# Altium PCB Gateway.PcbDoc (continued)
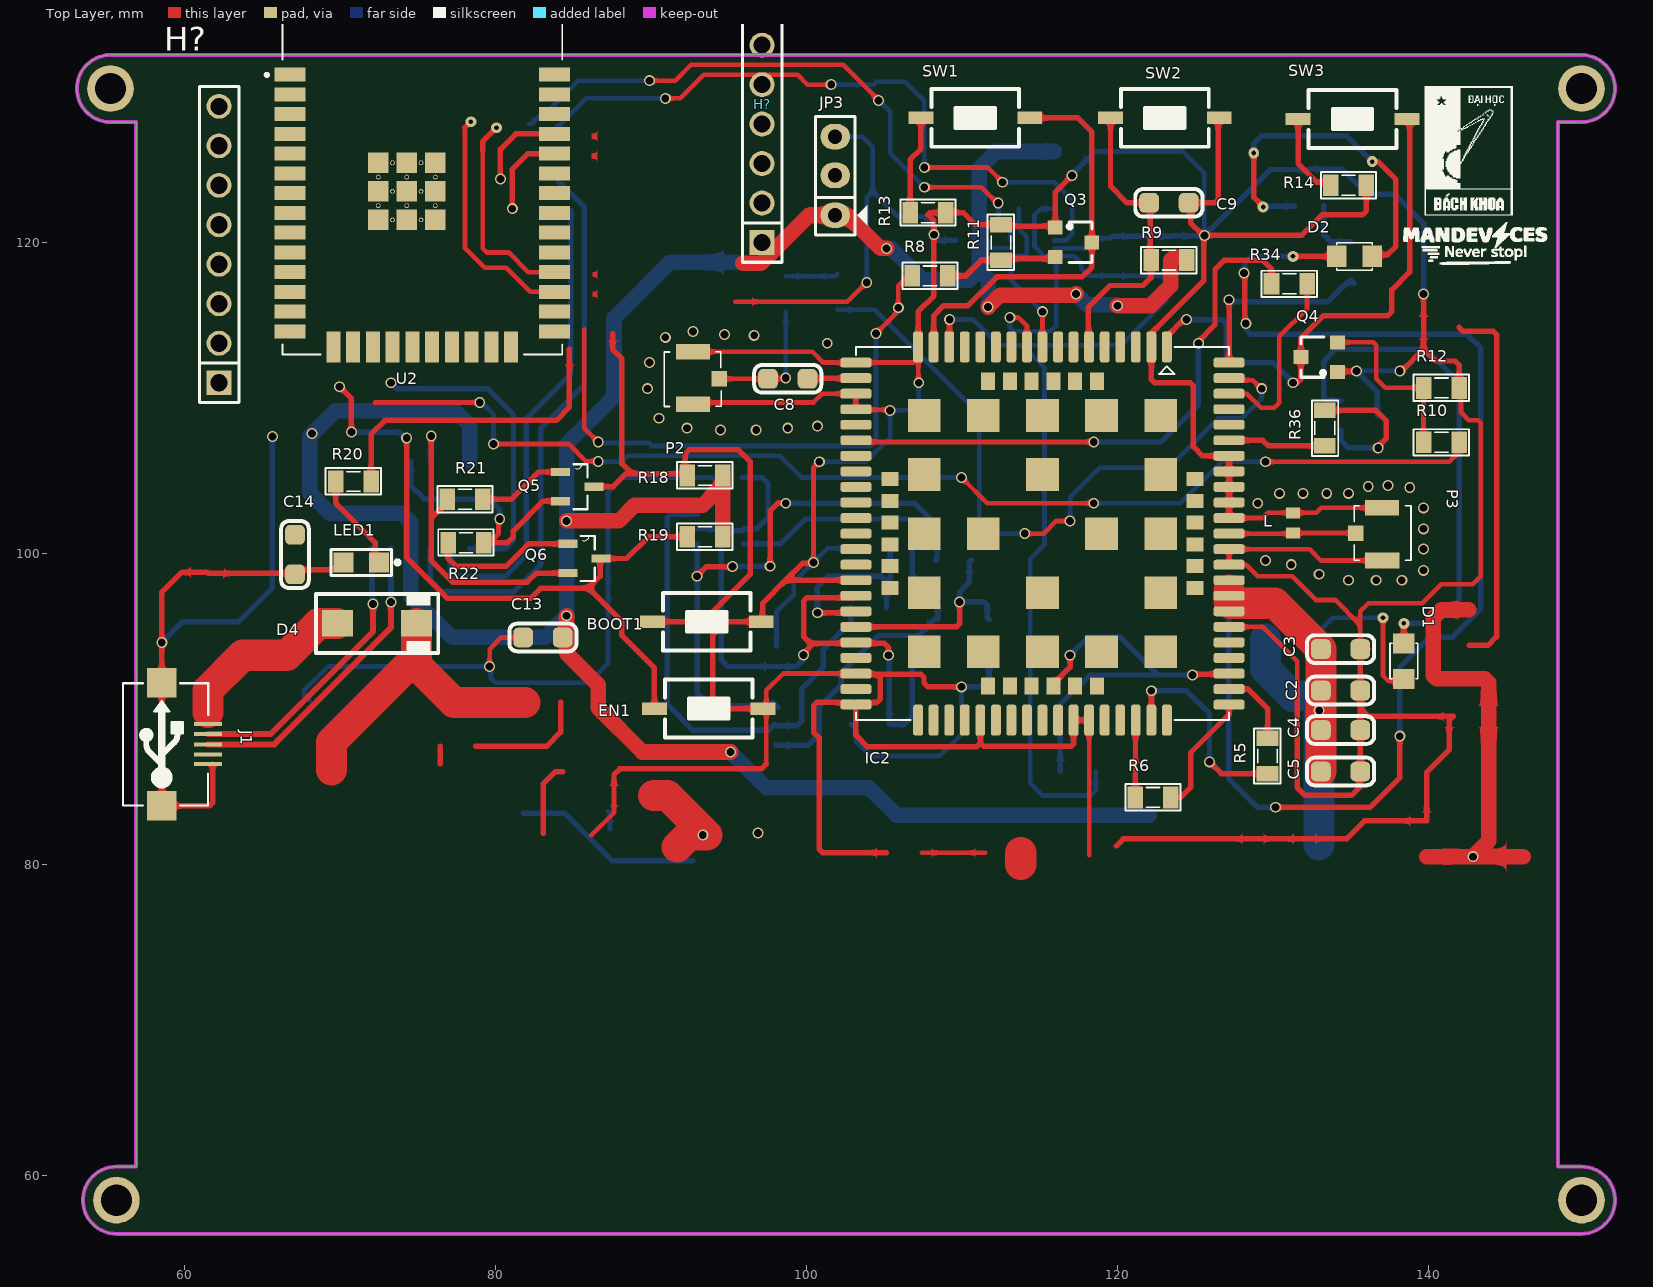
[diagram p0: Top Layer view]
## Part data (continued)
U2: "Bluetooth, WiFi 802.11b/g/n, Bluetooth v4.2 +EDR, Class 1, 2 and 3 Transceiver Module 2.4GHz ~ 2.5GHz Antenna Not Included, U.FL Surface Mount", Package="Module Espressif Systems", Availability="In Stock", Check_prices=https://www.snapeda.com/parts/ESP32-WROOM-32/Espressif+Systems/view-part/?ref=eda, MF="Espressif Systems", MP=ESP32-WROOM-32, Price=None, Purchase-URL=https://pricing.snapeda.com/search/part/ESP32-WROOM-32/?ref=eda, SnapEDA_Link=https://www.snapeda.com/parts/ESP32-WROOM-32/Espressif+Systems/view-part/?ref=snap
U3: "USB to serial chip CH340", Package=Package, Availability=Unavailable, Check_prices=https://www.snapeda.com/parts/CH340C/WCH/view-part/5428851/?ref=eda, MF=WCH, MP=CH340C, Price=None, SnapEDA_Link=https://www.snapeda.com/parts/CH340C/WCH/view-part/5428851/?ref=snap
U4: Name=TPS5430

## Free pads (board coordinates)
  round 3 hole 2: 0(55.245,129.921) 0(55.626,58.42) 0(149.86,58.42) 0(149.86,129.921)

## Via types
v1: diameter 0.7, hole 0.5, Top Layer to Bottom Layer, 114 vias
v2: diameter 0.7, hole 0.3, Top Layer to Bottom Layer, 8 vias
v3: diameter 0.9, hole 0.5, Top Layer to Bottom Layer, 5 vias

## Nets (pads, with @x,y where several pads share a name; then routed paths per layer and width w, separated by ;. In a path a pad name is that pad's centre, name@x,y a point inside that pad or via, vN(x,y) a via of type N, cw(c..) or ccw(c..) an arc to the next point about the centre after c; other vN are vias at no path point)
1V8: C7.2 C31.2 IC1.3 IC2.15 R3.2 R7.1 | length 67.7
  Top Layer w0.35: IC2.15 109.205,113.311 109.205,115.047 v1(109.22,115.062)
  Bottom Layer w0.3: v1(109.22,115.062) 110.744,115.062 112.395,113.411 113.882,113.411 ; IC1.3@115.944,119.13 115.304,119.13 114.681,119.753 114.681,121.793 115.077,122.189 R3.2 ; IC1.3@115.974,119.13 117.236,119.13 117.68,118.686 117.68,118.359 118.168,117.871 C31.2 C7.2 123.153,117.453 123.153,116.295 120.269,113.411 113.882,113.411 ; R7.1 118.618,84.771 118.303,84.455 115.189,84.455 114.395,85.249 114.395,99.663 115.316,100.584 115.316,111.977 113.882,113.411
3V3: AMS1.2 AMS1.4 AMS2.2 AMS2.4 C1.2 C6.2 C13.1 C14.1 C20.1 C22.1 H?.5@97.155,130.175 H?.8@62.23,128.778 IC1.7 JP3.1 R9.2 R18.1 R19.1 R27.1 U2.2 U3.4 U3.16 | length 209.3
  Top Layer w1: C13.1 C13.1@84.463,94.48 ; v1(84.582,96.012) 84.582,93.599 86.614,91.567 86.614,90.092 89.457,87.249 v1(95.123,87.249) ; v1(84.582,102.108) 87.95,102.108 88.966,103.124 93.345,103.124 R18.1@94.615,104.394 ; R19.1@94.615,101.219 R18.1@94.615,104.394 ; R18.1 R18.1@94.615,104.394 ; 95.923,118.686 97.081,118.686 100.166,121.771 JP3.1 102.638,121.771 104.775,119.634 v1(105.156,119.634) ; v1(111.69,115.87) 112.46,116.64 117.275,116.64 v1(117.348,116.713) ; v1(120.015,115.951) 122.141,115.951 123.444,117.254 123.444,118.875 123.649,119.08 124.267,119.08 R9.2 ; 139.902,80.518 v1(142.875,80.518) ; 142.621,96.393 140.843,96.393 140.335,95.885 140.335,92.153 140.54,91.948 143.637,91.948 143.891,91.694 143.891,89.535 143.891,81.534 v1(142.875,80.518) ; 146.102,80.518 v1(142.875,80.518)
  Bottom Layer w0.3: 111.125,120.475 111.955,119.645 IC1.7
  Bottom Layer w1: v1@68.072,107.562 68.072,103.886 69.342,102.616 73.963,102.616 74.549,102.03 U3.4 74.549,97.282 77.216,94.615 83.185,94.615 v1(84.582,96.012) v1(84.582,102.108) 84.582,107.048 87.63,110.096 87.63,115.132 91.243,118.745 95.425,118.745 ; v1@68.225,107.715 69.699,109.189 77.423,109.189 78.359,108.253 U3.16 ; v1(95.123,87.249) 97.409,84.963 104.013,84.963 105.791,83.185 122.047,83.185 ; v1(105.156,119.634) 105.475,119.634 107.492,117.617 C1.2 109.616,117.602 110.49,117.602 111.125,118.237 ; v1(111.69,115.87) 111.69,117.672 111.125,118.237 ; C6.2 112.219,125.872 111.125,124.778 111.125,120.475 111.125,118.237 ; v1(117.348,116.713) 118.046,116.014 119.951,116.014 v1(120.015,115.951)
  other v1: 68.199,107.741
3V8: C2.2 C3.2 C4.2 C5.2 C16.1 IC2.55 IC2.56 IC2.57 L2.2 R1.1 R2.1 R23.1 R24.1 R25.2 | length 31.9
  Top Layer w2: 113.792,80.027 113.792,80.772 ; 127.19,97.663 IC2.56 127.19,96.901 127.278,96.813 130.151,96.813 C3.2 C2.2 ; C5.2 C4.2 C2.2@133.096,90.821
  Bottom Layer w2: R2.1 129.54,92.583 131.302,90.821 132.917,90.943 132.975,90.947 132.984,90.948 R1.1 v1(132.984,89.916) 132.984,81.265
5V: AMS2.3 C23.1 C25.1 C26.1 D4.2 | length 27.2
  Top Layer w2: 69.469,86.106 69.469,87.884 74.934,93.349 ; D4.2 74.934,93.349 ; 81.915,90.438 77.329,90.438 74.934,92.833 74.934,93.349 ; 90.17,84.455 91.073,84.455 v1@93.613,81.915 ; 91.675,81.134 92.456,81.915 v1@93.613,81.915 ; v1(93.345,81.915) v1@93.613,81.915
ADC: JP3.2 U2.9
balanced: J3.2
CH340_RX: U2.35 U3.3 | length 42.4
  Top Layer w0.35: v1(80.328,124.101) 80.328,126.006 81.322,127 U2.35
  Bottom Layer w0.35: U3.3 75.819,98.298 76.566,97.551 81.168,97.551 82.931,99.314 82.931,108.077 85.725,110.871 85.725,122.301 84.074,123.952
CH340_TX: U2.34 U3.2 | length 36.1
  Top Layer w0.35: v1(81.09,122.196) 81.09,124.736 82.084,125.73 U2.34
  Bottom Layer w0.35: U3.2 77.089,98.757 77.294,98.552 80.645,98.552 82,99.907 82,108.686 84.836,111.522 84.836,122.047
CS: U2.29
CS2: H?.4@97.155,127.635 H?.6@62.23,123.698 U2.23 | length 0.2
  Top Layer w0.35: U2.23@79.617,113.43 U2.23
D0_N: J1.2 U3.6 | length 18.7
  Top Layer w0.381: J1.2 65.534,88.394 72.136,94.996 v1(72.136,96.774)
  Bottom Layer w0.381: U3.6 72.075,100.258 72.075,96.835 v1(72.136,96.774)
D0_P: J1.3 U3.5 | length 20
  Top Layer w0.381: J1.3 65.782,87.744 73.279,95.241 v1(73.279,96.901)
  Bottom Layer w0.381: v1(73.279,96.901) U3.5
D_N: IC2.28
D_P: IC2.27
DATA: IC2.5
EN: EN1.1 Q6.3 R19.2 U2.3 | length 45.7
  Top Layer w0.35: v1(69.977,110.744) 70.739,109.982 v1(70.739,107.823) ; v1(74.295,107.442) 74.295,99.765 76.933,97.126 82.267,97.126 82.931,97.79 85.979,97.79 ; EN1.1 90.226,92.654 88.138,94.742 88.138,95.631 85.979,97.79 ; R19.2@92.456,101.092 R19.2 89.838,101.092 88.441,99.695 Q6.3 86.741,99.644 86.741,98.552 85.979,97.79
  Bottom Layer w0.35: v1(70.739,107.823) 73.819,107.823 74.2,107.442 v1(74.295,107.442)
GND: AMS1.1 BOOT1.2 C1.1 C2.1 C3.1 C4.1 C5.1 C6.1 C7.1 C9.1 C10.2 C11.2 C12.2 C13.2 C14.2 C16.2 C17.2 C18.1 C19.1 C20.2 C21.1 C24.1 C30.2 C31.1 D5.1 EN1.2 H?.6@97.155,132.715 H?.7@62.23,126.238 IC1.2 IC2.2 IC2.17 IC2.18 IC2.29 IC2.39 IC2.45 IC2.46 IC2.54 IC2.58 IC2.59 IC2.61 IC2.62 IC2.63 IC2.64 IC2.65 IC2.89 IC2.91 IC2.92 IC2.94 IC7.2 J1.5 J3.1 J4.1 J5.2 JP3.3 L.2 LED1.2 P2.2 P2.3 P3.2 P3.3 PW1.2 PW2.2 Q1.2 Q2.2 Q3.1 Q4.1 R11.1 R12.1 R13.1 R14.1 R26.1 R29.1 SW2.2 U1.5 U1.8 U2.1 U2.15 U2.38 U2.39_1 U2.39_2 U2.39_3 U2.39_4 U2.39_5 U2.39_6 U2.39_7 U2.39_8 U2.39_9 U2.39_10 U2.39_11 U2.39_12 U2.39_13 U2.39_14 U2.39_15 U2.39_16 U2.39_17 U2.39_18 U2.39_19 U2.39_20 U2.39_21 U3.1 U4.6 U4.9 | length 574.1
  Top Layer w0.3: 49.223,72.517 50.038,72.517 ; v1(79.629,92.749) 79.629,93.853 80.391,94.615 C13.2 ; 86.175,81.889 87.63,83.344 87.63,84.455 ; P2.3 100.399,112.989 101.092,112.296 IC2.89 ; P2.2 92.837,109.728 100.457,109.728 101.025,110.296 IC2.91 IC2.18 103.228,109.258 105.352,109.258 v1(105.39,109.22) ; 95.425,116.205 102.638,116.205 v1(103.886,117.453) ; 97.412,86.474 97.431,86.474 97.431,89.838 EN1.2 97.431,90.248 97.431,91.208 98.519,92.296 IC2.92 ; v1@100.39,99.374 v1(100.457,99.441) 100.457,105.537 v1(100.838,105.918) ; IC2.89@103.056,112.43 IC2.89 ; v1(107.229,110.998) 107.209,111.017 107.209,113.253 107.178,113.284 107.178,112.606 106.868,112.296 IC2.89 ; 118.19,80.616 IC2.46 ; IC2.54 129.367,95.296 131.572,93.091 131.572,91.408 ; IC2.61 129.347,102.296 129.682,102.631 L.2 132.786,102.631 133.109,102.954 P3.2 ; IC2.63 IC2.63@127.269,104.217 ; C3.1@136.159,93.868 C3.1 135.636,95.407 ; P3.3 133.096,99.566 132.366,100.296 IC2.59 IC2.58 128.288,99.296 129.032,98.552 131.246,98.552 132.77,97.028 134.015,97.028 135.636,95.407 ; R12.1 142.113,110.539 142.113,109.093 142.621,108.585 143.207,108.585 143.383,108.409 143.383,98.552 142.875,98.044 140.843,98.044 139.612,96.813 136.159,96.813 135.636,96.29 135.636,95.407
  Top Layer w0.35: J1.5@58.42,83.667 58.547,83.794 58.547,91.694 v1(58.547,94.296) 58.547,97.536 59.817,98.806 61.468,98.806 61.539,98.735 67.112,98.735 67.183,98.664 67.487,98.968 69.517,98.968 LED1.2@69.977,99.428 ; J1.5@58.848,83.781 61.611,83.781 61.816,83.986 J1.5@61.816,86.461 ; 87.63,84.455 87.63,85.786 88.011,86.167 97.106,86.167 97.412,86.474 ; P2.2@92.705,109.606 P2.2 ; EN1.2 94.488,90.043 93.98,90.551 93.98,94.742 94.869,95.631 BOOT1.2 97.184,95.631 97.184,96.803 98.677,98.296 ; v1@100.39,99.374 99.755,99.374 98.677,98.296 ; IC2.92 103.237,92.249 104.521,92.249 ; IC2.29 98.677,98.296 ; 105.156,80.772 101.046,80.772 100.818,80.999 100.818,88.167 100.472,88.513 100.472,90.233 100.677,90.438 102.78,90.438 103.056,90.162 IC2.94 ; IC2.17@107.178,113.284 IC2.17 107.19,115.572 108.204,116.586 v1(108.204,120.523) 108.204,121.436 107.823,121.817 107.941,121.935 R13.1 110.094,121.935 110.856,121.173 R11.1 112.619,121.077 115.918,121.077 Q3.1 116.015,123.254 v1(117.094,124.333) ; v1(109.982,91.44) 107.827,91.44 107.569,91.698 107.569,92.044 107.364,92.249 104.521,92.249 ; IC2.39 111.19,87.835 ; IC2.46 IC2.45 117.19,87.771 117.049,87.63 111.395,87.63 111.19,87.835 ; 119.939,81.204 120.396,81.661 128.736,81.661 132.038,81.661 134.747,81.661 135.904,82.818 139.902,82.818 139.902,85.927 141.351,87.376 141.351,89.281 141.605,89.535 136.144,89.535 135.636,90.043 ; v1@125.563,120.475 v1@125.563,120.436 ; SW2.2 126.492,127.96 126.492,122.775 126.287,122.57 C9.1 124.714,122.443 124.714,121.285 v1@125.563,120.436 ; IC2.61 IC2.62 IC2.63 IC2.64 IC2.65 125.479,106.296 124.888,106.887 124.888,110.793 124.683,110.998 122.395,110.998 122.19,111.203 IC2.2 122.19,114.189 125.563,117.562 v1@125.563,120.436 ; 131.572,91.408 131.572,84.963 132.08,84.455 135.076,84.455 135.584,84.963 135.584,85.942 C5.1 C4.1 135.636,90.043 ; Q4.1 134.19,111.729 135.351,111.729 v1(135.382,111.76) ; C3.1 C2.1 135.636,90.043 ; R14.1 136.017,122.047 135.763,121.793 133.182,121.793 131.864,120.475 v1(125.603,120.475) v1@125.563,120.436 ; P3.3@136.771,99.836 P3.3 ; P3.2 P3.2@137.091,102.899 ; v1(138.176,111.76) 138.303,111.76 139.7,113.157 ; v1(139.7,116.713) 139.7,114.554 139.7,113.157 ; R12.1 141.986,112.141 141.732,112.395 140.462,112.395 139.7,113.157 ; IC2.94 103.19,90.162 103.19,88.326 103.935,87.581 110.936,87.581 111.19,87.835 ; IC2.94 103.333,90.438 104.535,90.438 104.757,90.66 104.757,92.013 104.521,92.249
  Bottom Layer w0.3: 68.072,90.551 67.688,90.935 67.688,91.183 69.254,92.749 v1(79.629,92.749) 79.706,92.672 79.706,91.998 80.01,91.694 85.979,91.694 87.249,92.964 87.249,97.739 87.249,103.963 88.188,104.902 C30.2 ; U1.8@87.249,83.439 87.376,83.312 87.376,82.296 ; U1.5 98.079,96.266 99.187,97.374 99.187,98.171 v1(100.457,99.441) 101.361,100.345 C12.2 ; v1(100.838,105.918) 103.831,105.918 105.39,107.477 v1(105.39,109.22) 107.053,109.22 107.229,109.396 v1(107.229,110.998) ; JP3.3 103.585,126.826 104.267,126.144 104.267,123.317 ; C11.2 103.193,88.704 103.193,87.942 104.14,86.995 108.585,86.995 109.982,88.392 v1(109.982,91.44) ; v1(103.886,117.453) 103.886,122.936 104.267,123.317 ; v1(108.204,120.523) 108.204,121.031 107.569,121.666 105.918,121.666 104.267,123.317 ; IC1.2 117.972,119.645 118.612,120.285 119.571,120.285 C31.1 ; C6.1 124.221,125.872 125.603,124.49 v1(125.603,120.475) ; v1(135.382,111.76) v1(138.176,111.76)
  Bottom Layer w0.35: v1(58.547,94.296) 59.882,95.631 63.5,95.631 65.659,97.79 v1(65.659,107.542) ; v1(73.279,110.998) 73.66,110.617 79.496,110.617 81.168,108.945 81.168,100.853 80.639,100.324 U3.1 ; IC7.2 94.156,101.6 94.361,101.805 94.361,104.521 93.98,104.902 C30.2 ; v1(108.204,120.523) 108.222,120.523 108.594,120.151 109.595,120.151 C1.1 ; v1(109.982,91.44) 111.125,91.44 111.758,92.073 111.758,93.231 C10.2 ; v1(117.094,124.333) 117.094,124.404 118.491,125.801 C6.1 ; C31.1 C7.1 123.603,120.443 125.571,120.443 v1(125.603,120.475) 129.842,124.714 Q2.2@132.302,124.714 ; Q2.2 134.461,124.746 136.073,123.134 137.819,123.134 139.7,121.253 v1(139.7,116.713) ; v1(135.382,111.76) 136.716,110.426 Q1.2
  other v1: 134.874,98.298 136.652,98.296 138.303,98.298 132.984,98.679 139.7,98.933 131.191,99.296 129.54,99.566 139.7,100.296 139.7,101.6 139.7,102.954 129.032,103.251 130.429,103.886 131.953,103.886 133.477,103.886 134.874,103.886 138.811,104.267 136.144,104.318 137.414,104.394 94.488,107.95 96.774,107.95 92.329,108.077 98.806,108.077 100.723,108.204 90.522,108.712 89.789,110.617 89.916,112.296 101.346,113.538 90.932,113.919 96.647,114.046 94.742,114.108 92.71,114.3
  other v3: 237.49,23.012 239.522,23.012 238.506,23.647 237.49,24.282 239.522,24.282
IO2: R20.1 U2.24 | length 20.2
  Top Layer w0.35: R20.1 72.009,107.696 72.898,108.585 83.92,108.585 84.763,109.428 84.763,113.151
IO_0: BOOT1.1 Q5.3 R18.2 U2.25 | length 36.6
  Top Layer w0.35: Q5.3 87.577,104.318 88.416,105.156 88.773,105.156 ; 87.548,114.151 87.548,113.139 88.138,112.549 88.138,105.791 88.773,105.156 ; BOOT1.1 93.345,95.631 96.393,98.679 96.393,105.918 95.631,106.68 92.456,106.68 92.202,106.426 R18.2@92.202,105.156 ; R18.2 R18.2@92.202,105.156 ; 88.773,105.156 R18.2@92.202,105.156
IRQ: H?.7@97.155,135.255 U2.11
LED_DSP: H?.1@62.23,110.998 U2.33
LOG_RX: IC2.22
LOG_TX: IC2.23
MISO: H?.4@62.23,118.618 U2.31
MISO2: H?.2@97.155,122.555 U2.14
MOSI: H?.3@62.23,116.078 U2.37
MOSI2: H?.3@97.155,125.095 U2.16 | length 0.1
  Top Layer w0.35: U2.16 U2.16@70.894,113.336
NET: IC2.52
NetAMS2_1: AMS2.1 C22.2 C23.2 C25.2 C26.2
  other v1: 96.901,82.042
NetC8_1: C8.1 IC2.90 | length 3.1
  Top Layer w0.35: C8.1 100.098,111.274 103.168,111.274 IC2.90
NetC8_2: C8.2 L1.1 P2.1 | length 8.6
  Top Layer w0.3: P2.1 94.401,111.252 C8.2 97.558,111.274 98.657,111.274 v1(98.679,111.296)
  Bottom Layer w0.3: v1(98.679,111.296) L1.1
NetC9_2: C9.2 IC2.6 R9.1 SW2.1 | length 19.6
  Top Layer w0.35: IC2.6 118.147,113.339 118.147,115.87 119.531,117.254 121.666,117.254 122.174,117.762 R9.1 122.111,118.951 122.111,122.507 C9.2 120.635,122.57 119.563,123.642 SW2.1
NetC15_1: C15.1 D5.2 L2.1 U4.8
NetC15_2: C15.2 U4.1
NetC24_2: C24.2 R28.1 R29.2 U2.10
NetD1_1: D1.1 R1.2 | length 11.6
  Top Layer w0.3: v2(137.091,95.885) 137.091,92.144 137.414,91.821 138.303,91.821 D1.1
  Bottom Layer w0.3: R1.2 132.984,95.011 133.858,95.885 v2(137.091,95.885)
NetD1_2: D1.2 Q1.3 | length 32.9
  Top Layer w0.35: D1.2 v2(138.43,95.52)
  Bottom Layer w0.35: Q1.3 134.361,109.855 133.489,109.855 133.284,110.06 133.284,112.391 134.05,113.157 139.827,113.157 141.986,110.998 141.986,97.028 140.478,95.52 v2(138.43,95.52)
NetD2_1: D2.1 R2.2 | length 82.3
  Top Layer w0.35: v1(128.143,118.056) 128.207,117.992 128.207,114.871 v1(128.27,114.808) ; v1(130.175,83.693) 136.271,83.693 138.176,85.598 v1(138.176,88.265) ; v2(131.302,119.126) D2.1
  Bottom Layer w0.35: v1(128.143,118.056) 128.21,118.123 128.21,118.685 128.651,119.126 v2(131.302,119.126) ; v1(128.27,114.808) 128.27,114.427 128.589,114.108 142.494,114.108 143.383,113.219 143.383,96.471 141.527,94.615 140.081,94.615 138.176,92.71 v1(138.176,88.265) ; R2.2 128.094,96.79 127.169,95.865 127.169,85.556 129.032,83.693 v1(130.175,83.693)
NetD2_2: D2.2 Q2.3 | length 23
  Top Layer w0.35: v2(128.778,125.771) 128.778,122.934 129.383,122.329 v2(129.383,122.301) ; D2.2 136.503,119.231 137.392,119.231 137.922,119.761 137.922,124.079 136.779,125.222 v2(136.398,125.222)
  Bottom Layer w0.35: v2(128.778,125.771) 128.778,126.365 129.286,126.873 134.747,126.873 v2(136.398,125.222) ; v2(129.383,122.301) 129.43,122.348 131.336,122.348 Q2.3
NetD3_1: D3.1 J3.3 J4.2
NetD3_2: D3.2 J2.1
NetD4_1: D4.1 J1.1 | length 11.9
  Top Layer w1: D4.1@69.592,95.774 D4.1
  Top Layer w2: 61.515,89.789 61.515,91.233 63.754,93.472 66.588,93.472 68.636,95.52 D4.1
NetIC1_1: IC1.1 U2.28 | length 57.5
  Top Layer w0.3: 79.185,125.879 79.185,119.634 79.439,119.38 80.858,119.38 82.128,118.11 U2.28 ; v1(90.932,129.286) 91.893,129.286 93.417,130.81 99.441,130.81 100.076,130.175 v1(101.6,130.175) ; v1@107.696,124.841 111.674,124.841 v1(112.618,123.896)
  Top Layer w0.35: 79.185,125.879 79.185,126.514 v2(80.074,127.403)
  Bottom Layer w0.3: 83.82,127.254 85.852,129.286 v1(90.932,129.286) ; v1(101.6,130.175) 104.293,130.175 104.485,130.367 106.361,130.367 107.59,129.138 v1(107.59,124.841) ; v1(112.618,123.896) 115.937,123.896 117.094,122.739 117.094,120.565 116.675,120.145 IC1.1
NetIC1_6: IC1.6 R3.1 | length 4.2
  Bottom Layer w0.3: IC1.6 114.009,119.145 114.173,119.309 114.173,120.396 113.665,120.904 R3.1
NetIC1_8: IC1.8 U2.27 | length 54.9
  Top Layer w0.3: 78.042,127.403 78.042,119.669 79.325,118.386 80.709,118.386 82.255,116.84 U2.27 ; v1(89.916,130.429) 91.567,130.429 92.583,131.445 102.362,131.445 v1(104.648,129.159) ; v1(107.59,123.571) 111.252,123.571 112.268,122.555 v1(112.343,122.555)
  Top Layer w0.35: 78.042,127.403 v2(78.423,127.784)
  Bottom Layer w0.3: 82.169,127.635 82.309,127.635 83.136,128.462 83.377,128.462 85.344,130.429 v1(89.916,130.429) ; v1(104.648,129.159) 105.39,128.417 105.39,125.771 v1(107.59,123.571) ; v1(112.343,122.555) 112.343,121.464 113.149,120.658 IC1.8
NetIC2_20: IC2.20 R34.1 | length 37.3
  Top Layer w0.35: IC2.20 103.298,107.188 v1(118.491,107.188) ; v1(125.222,113.538) 125.222,113.665 126.287,114.73 126.287,118.286 126.865,118.864 129.383,118.864 129.921,118.326 R34.1
  Bottom Layer w0.35: v1(118.491,107.188) 122.809,107.188 125.222,109.601 v1(125.222,113.538)
NetIC2_49: IC2.49 R6.2 | length 5
  Top Layer w0.35: R6.2 121.158,85.833 121.174,85.849 121.174,89.28 IC2.49
NetIC2_50: IC2.50 R5.2 | length 13.4
  Top Layer w0.35: IC2.50 v1(122.19,91.186) ; v1(125.932,86.614) 126.694,85.852 R5.2
  Bottom Layer w0.35: v1(122.19,91.186) 124.46,91.186 125.932,89.714 v1(125.932,86.614)
NetIC2_60: IC2.60 L.1 P3.1 | length 8.2
  Top Layer w0.3: IC2.60@127.221,101.265 127.252,101.296 131.253,101.296 L.1@131.315,101.358 ; L.1 135.268,101.331 P3.1@135.296,101.358
  Top Layer w0.35: P3.1@135.296,101.358 P3.1
NetIC2_95: IC2.95 R6.1 | length 7.9
  Top Layer w0.35: R6.1 124.079,84.328 124.714,84.963 124.714,87.2 127.19,89.676 IC2.95
NetIC2_96: IC2.96 R5.1 | length 4.9
  Top Layer w0.35: IC2.96 128.414,91.296 129.667,90.043 R5.1
NetIC2_97: IC2.97 IC2.116 R7.2 | length 25.5
  Top Layer w0.35: IC2.116 115.89,91.626 116.967,92.703 v1(116.967,93.472) ; v1(124.841,92.202) 124.888,92.249 127.143,92.249 IC2.97
  Bottom Layer w0.35: R7.2 116.332,90.297 118.237,92.202 122.555,92.202 ; v1(116.967,93.472) 118.11,94.615 120.204,94.615 122.555,92.264 122.555,92.202 ; v1(124.841,92.202) 122.555,92.202
NetIC2_98: IC2.98 R34.2 | length 12.1
  Top Layer w0.3: IC2.98 128.337,110.296 129.245,109.388 130.104,109.388 130.429,109.713 130.429,113.984 132.207,115.762 R34.2
NetIC2_99: IC2.99 R4.2 | length 44.9
  Top Layer w0.3: v1(114.046,101.296) 115.266,101.296 116.078,102.108 v1(116.967,102.108) ; IC2.99 127.326,111.16 128.702,111.16 129.245,110.617 v1(129.291,110.617)
  Bottom Layer w0.3: R4.2 104.394,115.697 111.125,108.966 111.125,101.955 111.784,101.296 v1(114.046,101.296) ; v1(116.967,102.108) 116.967,103.632 118.872,105.537 123.317,105.537 126.492,108.712 128.016,108.712 129.286,109.982 129.286,110.612 v1(129.291,110.617)
NetIC7_1: IC7.1 R16.2 U1.2 | length 37.7
  Top Layer w0.35: v1(92.964,98.552) 93.561,99.149 95.212,99.149 v1(95.25,99.187) ; v1(97.674,99.196) 97.674,102.754 98.171,103.251 v1(98.679,103.251)
  Bottom Layer w0.35: IC7.1 92.988,91.035 93.814,90.209 97.603,90.209 97.841,90.447 U1.2 U1.2@98.155,90.133 ; v1(95.25,99.187) 95.254,99.191 97.669,99.191 v1(97.674,99.196) ; v1(98.679,103.251) 106.961,103.251 108.406,101.805 108.406,99.658 R16.2
NetIC7_3: IC7.3 R17.2 U1.7 | length 32.3
  Bottom Layer w0.35: IC7.3 91.264,102.55 91.059,102.345 91.059,90.312 92.725,88.646 97.564,88.646 97.968,89.05 U1.7 99.402,88.939 99.695,89.232 99.695,91.313 101.092,92.71 101.092,93.853 102.87,95.631 R17.2
NetIC7_6: IC7.6 R15.1 U1.3 | length 33.8
  Bottom Layer w0.35: IC7.6 98.364,100.65 99.949,102.235 106.602,102.235 106.807,102.03 106.807,98.679 108.077,97.409 108.111,97.409 108.458,97.062 R15.1 108.26,95.773 107.229,94.742 104.648,94.742 102.235,92.329 102.235,91.567 100.838,90.17 100.838,88.392 100.115,87.669 U1.3 U1.3@98.023,87.725
NetJ5_1: J5.1 R24.2
NetL1_2: L1.2 R4.1 | length 3.4
  Bottom Layer w0.3: L1.2 101.854,117.856 R4.1
NetLED1_1: LED1.1 R20.2 | length 6.3
  Top Layer w0.35: R20.2 69.723,103.251 72.263,100.711 LED1.1@72.263,99.428
NetPW1_1: PW1.1 R23.2 | length 4.1
  Top Layer w0.3: 107.442,80.772 111.506,80.772
NetPW2_1: PW2.1 R27.2
NetQ1_1: Q1.1 R36.2 | length 9.5
  Top Layer w0.35: R36.2 136.296,109.22 136.319,109.243 136.609,109.243 137.287,108.565 137.287,107.41 136.779,106.902 v1(136.779,106.807)
  Bottom Layer w0.35: Q1.1 134.366,107.315 134.874,106.807 v1(136.779,106.807)
NetQ2_1: Q2.1 R35.2 | length 3.8
  Bottom Layer w0.35: Q2.1 133.284,120.512 133.743,120.053 R35.2
NetQ3_3: Q3.3 R8.1 R11.2 | length 7.4
  Top Layer w0.381: R8.1 110.251,117.871 111.267,118.887 R11.2 112.618,118.984 115.919,118.984 Q3.3
NetQ4_3: Q4.3 R10.1 R12.2 | length 11.5
  Top Layer w0.3: Q4.3 136.464,113.599 136.652,113.411 136.652,111.252 137.238,110.666 R12.2 R10.1
NetQ5_1: Q5.1 R21.2 | length 5.7
  Top Layer w0.35: R21.2 81.026,103.505 82.779,105.258 Q5.1
NetQ5_2: Q5.2 R22.1 U3.13 | length 16.6
  Top Layer w0.3: R22.1 79.641,100.711 80.205,101.275 80.205,102.158 v1(80.281,102.235)
  Top Layer w0.35: R22.1@79.641,100.711 80.772,100.711 81.153,101.092 81.153,101.473 83.058,103.378 Q5.2
  Bottom Layer w0.35: U3.13 74.549,104.394 75.438,103.505 79.629,103.505 80.281,102.853 v1(80.281,102.235)
NetQ6_1: Q6.1 R22.2 | length 9.5
  Top Layer w0.35: R22.2 76.962,99.695 77.461,99.196 80.708,99.196 82.147,100.635 Q6.1
NetQ6_2: Q6.2 R21.1 U3.14 | length 21
  Top Layer w0.35: v1(75.873,107.569) 75.873,102.317 75.894,102.296 ; R21.1@76.913,103.505 76.913,103.315 75.894,102.296 ; Q6.2 82.633,98.755 82.049,98.171 77.256,98.171 75.873,99.554 75.873,102.296 75.894,102.296
  Bottom Layer w0.35: v1(75.873,107.569) 75.846,107.542 75.846,105.951 U3.14 U3.14@75.882,105.86
NetR8_2: R8.2 U2.8 | length 38.2
  Top Layer w0.3: U2.8 67.034,121.688 U2.8@67.267,121.92 ; 85.725,114.426 85.725,108.077 v1(86.614,107.188) ; v1(104.485,114.173) 105.841,115.529 105.841,115.747 v1(105.918,115.824) 105.918,117.236 106.68,117.998 R8.2
  Bottom Layer w0.3: v1(86.614,107.188) 86.677,107.124 89.852,107.124 90.043,106.934 104.14,106.934 104.485,107.279 v1(104.485,114.173)
NetR10_2: R10.2 U2.12 | length 75.8
  Top Layer w0.3: 72.263,109.728 v1(78.994,109.728) ; v1(79.883,107.061) 84.709,107.061 85.814,105.956 86.582,105.956 v1(86.614,105.924) ; v1(109.982,104.902) 111.633,103.251 v1(118.491,103.251) ; v1(129.54,105.918) 141.345,105.918 141.986,106.559 R10.2
  Bottom Layer w0.3: v1(78.994,109.728) 79.102,109.728 79.483,109.347 79.496,109.347 79.883,108.96 v1(79.883,107.061) ; v1(86.614,105.924) 88.132,105.924 88.507,106.299 98.298,106.299 99.695,104.902 v1(109.982,104.902) ; v1(118.491,103.251) 124.054,103.251 126.72,105.918 v1(129.54,105.918)
NetR13_2: R13.2 SW1.2 | length 6.4
  Top Layer w0.35: R13.2 106.68,125.349 107.371,126.04 SW1.2
NetR14_2: R14.2 SW3.2 | length 5.7
  Top Layer w0.35: SW3.2 131.628,125.095 132.827,123.896 133.731,123.896 R14.2
NetR25_1: R25.1 R26.2 U4.4
POWER_ON: IC2.1 Q4.2 SW3.1 | length 34.7
  Top Layer w0.35: IC2.1 123.19,113.978 124.274,115.062 v1(124.46,115.062) ; v1(131.302,110.998) 131.572,110.998 131.809,111.235 Q4.2 131.809,113.87 133.255,115.316 137.414,115.316 137.668,115.57 137.668,116.967 138.811,118.11 138.811,127.735 SW3.1@138.713,127.833
  Bottom Layer w0.35: v1(124.46,115.062) 126.746,115.062 127,114.808 127,112.755 127.459,112.296 130.004,112.296 v1(131.302,110.998)
RESET: IC2.16 Q3.2 SW1.1 | length 26.6
  Top Layer w0.35: IC2.16 108.19,115.302 108.839,115.951 110.396,115.951 112.25,117.805 117.748,117.805 118.365,118.423 118.365,120.005 118.34,120.03 Q3.2 118.365,127.126 117.46,128.031 SW1.1
RST: H?.5@62.23,121.158 U2.26
RST_RFID: H?.8@97.155,137.795 U2.36
SCK: H?.2@62.23,113.538 U2.30
SCK2: H?.1@97.155,120.015 U2.13
SIM_PPS: IC2.100 R35.1 | length 12.7
  Top Layer w0.35: IC2.100 v1(127.19,116.334)
  Bottom Layer w0.35: v1(127.19,116.334) 127.285,116.334 127.408,116.211 133.539,116.211 134.803,117.475 R35.1@135.001,117.475 ; R35.1@135.001,117.602 R35.1@135.206,117.397
SIM_RX: IC1.4 IC2.10 | length 10.5
  Top Layer w0.3: v1(113.09,115.189) 113.665,115.189 114.19,114.664 IC2.10
  Bottom Layer w0.3: v1(113.09,115.189) 113.09,114.554 113.344,114.3 115.697,114.3 116.078,114.681 IC1.4@116.078,118.618
SIM_TX: IC1.5 IC2.9 | length 6.2
  Top Layer w0.3: IC2.9 v1(115.19,115.57)
  Bottom Layer w0.3: IC1.5 113.149,117.611 v1(115.19,115.57)
STATUS: IC2.66 R36.1 | length 6.3
  Top Layer w0.35: IC2.66 129.356,107.296 129.718,106.934 R36.1
U_SIM: C11.1 C30.1 IC2.30 IC2.33 IC7.5 R15.2 U1.1 | length 45.9
  Top Layer w0.35: v1(99.823,93.487) 99.823,93.582 100.26,94.019 100.26,94.234 ; IC2.30 103.049,97.155 100.027,97.155 99.822,96.95 99.822,94.672 100.26,94.234 ; v1(105.283,93.472) 105.283,93.98 105.029,94.234 103.252,94.234 IC2.33 103.128,94.234 100.26,94.234
  Bottom Layer w0.35: C30.1 97.155,104.902 97.536,104.521 97.536,102.34 96.796,101.6 IC7.5 95.863,101.475 94.871,101.475 94.525,101.129 94.525,93.197 94.973,92.749 U1.1 ; U1.1@98.157,92.749 99.353,92.749 99.823,93.219 v1(99.823,93.487) ; v1(105.283,93.472) 105.346,93.408 105.346,89.09 C11.1 106.299,89.027 106.807,89.535 106.807,93.267 107.012,93.472 108.443,93.472 R15.2
USIM_CLK: C10.1 IC2.32 R16.1 | length 14
  Top Layer w0.35: IC2.32 109.65,95.296 109.855,95.501 v1(109.855,96.901)
  Bottom Layer w0.35: R16.1 110.49,99.456 110.49,98.171 109.855,97.536 v1(109.855,96.901) 111.428,96.901 111.633,96.696 111.633,95.9 C10.1
USIM_DATA: C12.1 IC2.31 R17.1 | length 13
  Top Layer w0.35: v1(100.711,96.205) 100.723,96.193 103.087,96.193 IC2.31
  Bottom Layer w0.35: v1(100.711,96.205) 100.711,97.857 101.406,98.552 104.824,98.552 105.029,98.347 105.029,98.298 105.156,98.171 ; R17.1 105.156,98.171 ; C12.1 105.41,98.425 105.156,98.171
VBAT: AMS1.3 C17.1 C18.2 C19.2 C21.2 J2.2 R28.2 U4.7
VBUS: IC2.24
pads on no net: IC2.3 IC2.4 IC2.7 IC2.8 IC2.11 IC2.12 IC2.13 IC2.14 IC2.19 IC2.21 IC2.25 IC2.26 IC2.34 IC2.35 IC2.36 IC2.37 IC2.38 IC2.40 IC2.41 IC2.42 IC2.43 IC2.44 IC2.47 IC2.48 IC2.51 IC2.53 IC2.67 IC2.68 IC2.69 IC2.70 IC2.71 IC2.72 IC2.73 IC2.74 IC2.75 IC2.76 IC2.77 IC2.78 IC2.79 IC2.80 IC2.81 IC2.82 IC2.83 IC2.84 IC2.85 IC2.86 IC2.87 IC2.88 IC2.93 IC2.101 IC2.102 IC2.103 IC2.104 IC2.105 IC2.106 IC2.107 IC2.108 IC2.109 IC2.110 IC2.111 IC2.112 IC2.113 IC2.114 IC2.115 IC2.117 IC2.118 IC2.119 IC2.120 IC2.121 IC2.122 IC2.123 IC2.124 IC7.4 J1.4 U1.6 U2.4 U2.5 U2.6 U2.7 U2.17 U2.18 U2.19 U2.20 U2.21 U2.22 U2.32 U3.7 U3.8 U3.9 U3.10 U3.11 U3.12 U3.15 U4.2 U4.3 U4.5
copper on no net: | length 49.9
  Top Layer w0.35: 76.454,86.487 76.454,87.63 ; 78.74,87.63 83.312,87.63 84.201,88.519 84.201,90.438 ; 83.071,82.029 83.071,85.192 83.858,85.979 84.328,85.979 ; 141.986,114.554 142.24,114.3 144.194,114.3 144.399,114.095 144.399,94.662 143.844,94.107 142.621,94.107
  Bottom Layer w0.35: 81.788,83.312 84.455,83.312 87.503,80.264 92.71,80.264

## Polygon pours and split planes (outlines as drawn)
no net on Top Layer "NONET_L01_P060" (solid, pour order 60): 148.336,132.08
no net on Top Layer "NONET_L01_P048" (solid, pour order 48): 148.209,132.08
no net on Top Layer "NONET_L01_P046" (solid, pour order 46): 148.209,131.953
no net on Top Layer "NONET_L01_P040" (solid, pour order 40): 148.336,132.08
no net on Top Layer "NONET_L01_P016" (solid, pour order 16): 150.876,127.762
no net on Top Layer "NONET_L01_P014" (solid, pour order 14): 56.896,60.579
no net on Top Layer "NONET_L01_P012" (solid, pour order 12): 150.876,60.452
no net on Top Layer "NONET_L01_P010" (solid, pour order 10): 150.876,60.579
no net on Top Layer "NONET_L01_P008" (solid, pour order 8): 56.896,56.261
no net on Bottom Layer "NONET_L02_P026" (solid, pour order 26): 56.896,60.579
no net on Bottom Layer "NONET_L02_P024" (solid, pour order 24): 56.896,132.08 56.896,56.261
no net on Bottom Layer "NONET_L02_P022" (solid, pour order 22): 57.023,132.08

## Keep-outs
Keep-Out Layer:
  lines w0.254: 55.245,127.762 cw(c55.245,129.921) 55.245,132.08 149.86,132.08 cw(c149.86,129.921) 149.86,127.762 148.336,127.762 148.336,60.579 149.86,60.579 cw(c149.86,58.42) 149.86,56.261 55.626,56.261 cw(c55.626,58.42) 55.626,60.579 56.896,60.579 56.896,60.706 56.896,127.762 55.245,127.762

## Silkscreen, mask and mechanical layers (free items; w line width, h text height)
Top Overlay:
  drawing of 1603 lines, arcs and shapes, not listed

## Text inside footprints (layer, text, board x,y; h text height)
C16: Top Overlay "+" at 42.935,27.782 h0.76
C17: Top Overlay "+" at 98.354,2.686 h0.89 r90
C20: Top Overlay "+" at 97.592,30.26 h0.89 r90
C22: Top Overlay "+" at 161.553,25.877 h0.89
C23: Top Overlay "+" at 152.409,25.877 h0.89
U2: Mechanical 13 "ANTENNA" at 69.302,134.55 h0.76